# Allegro board HI3516AREFB_VER_B_PCB.brd (continued)
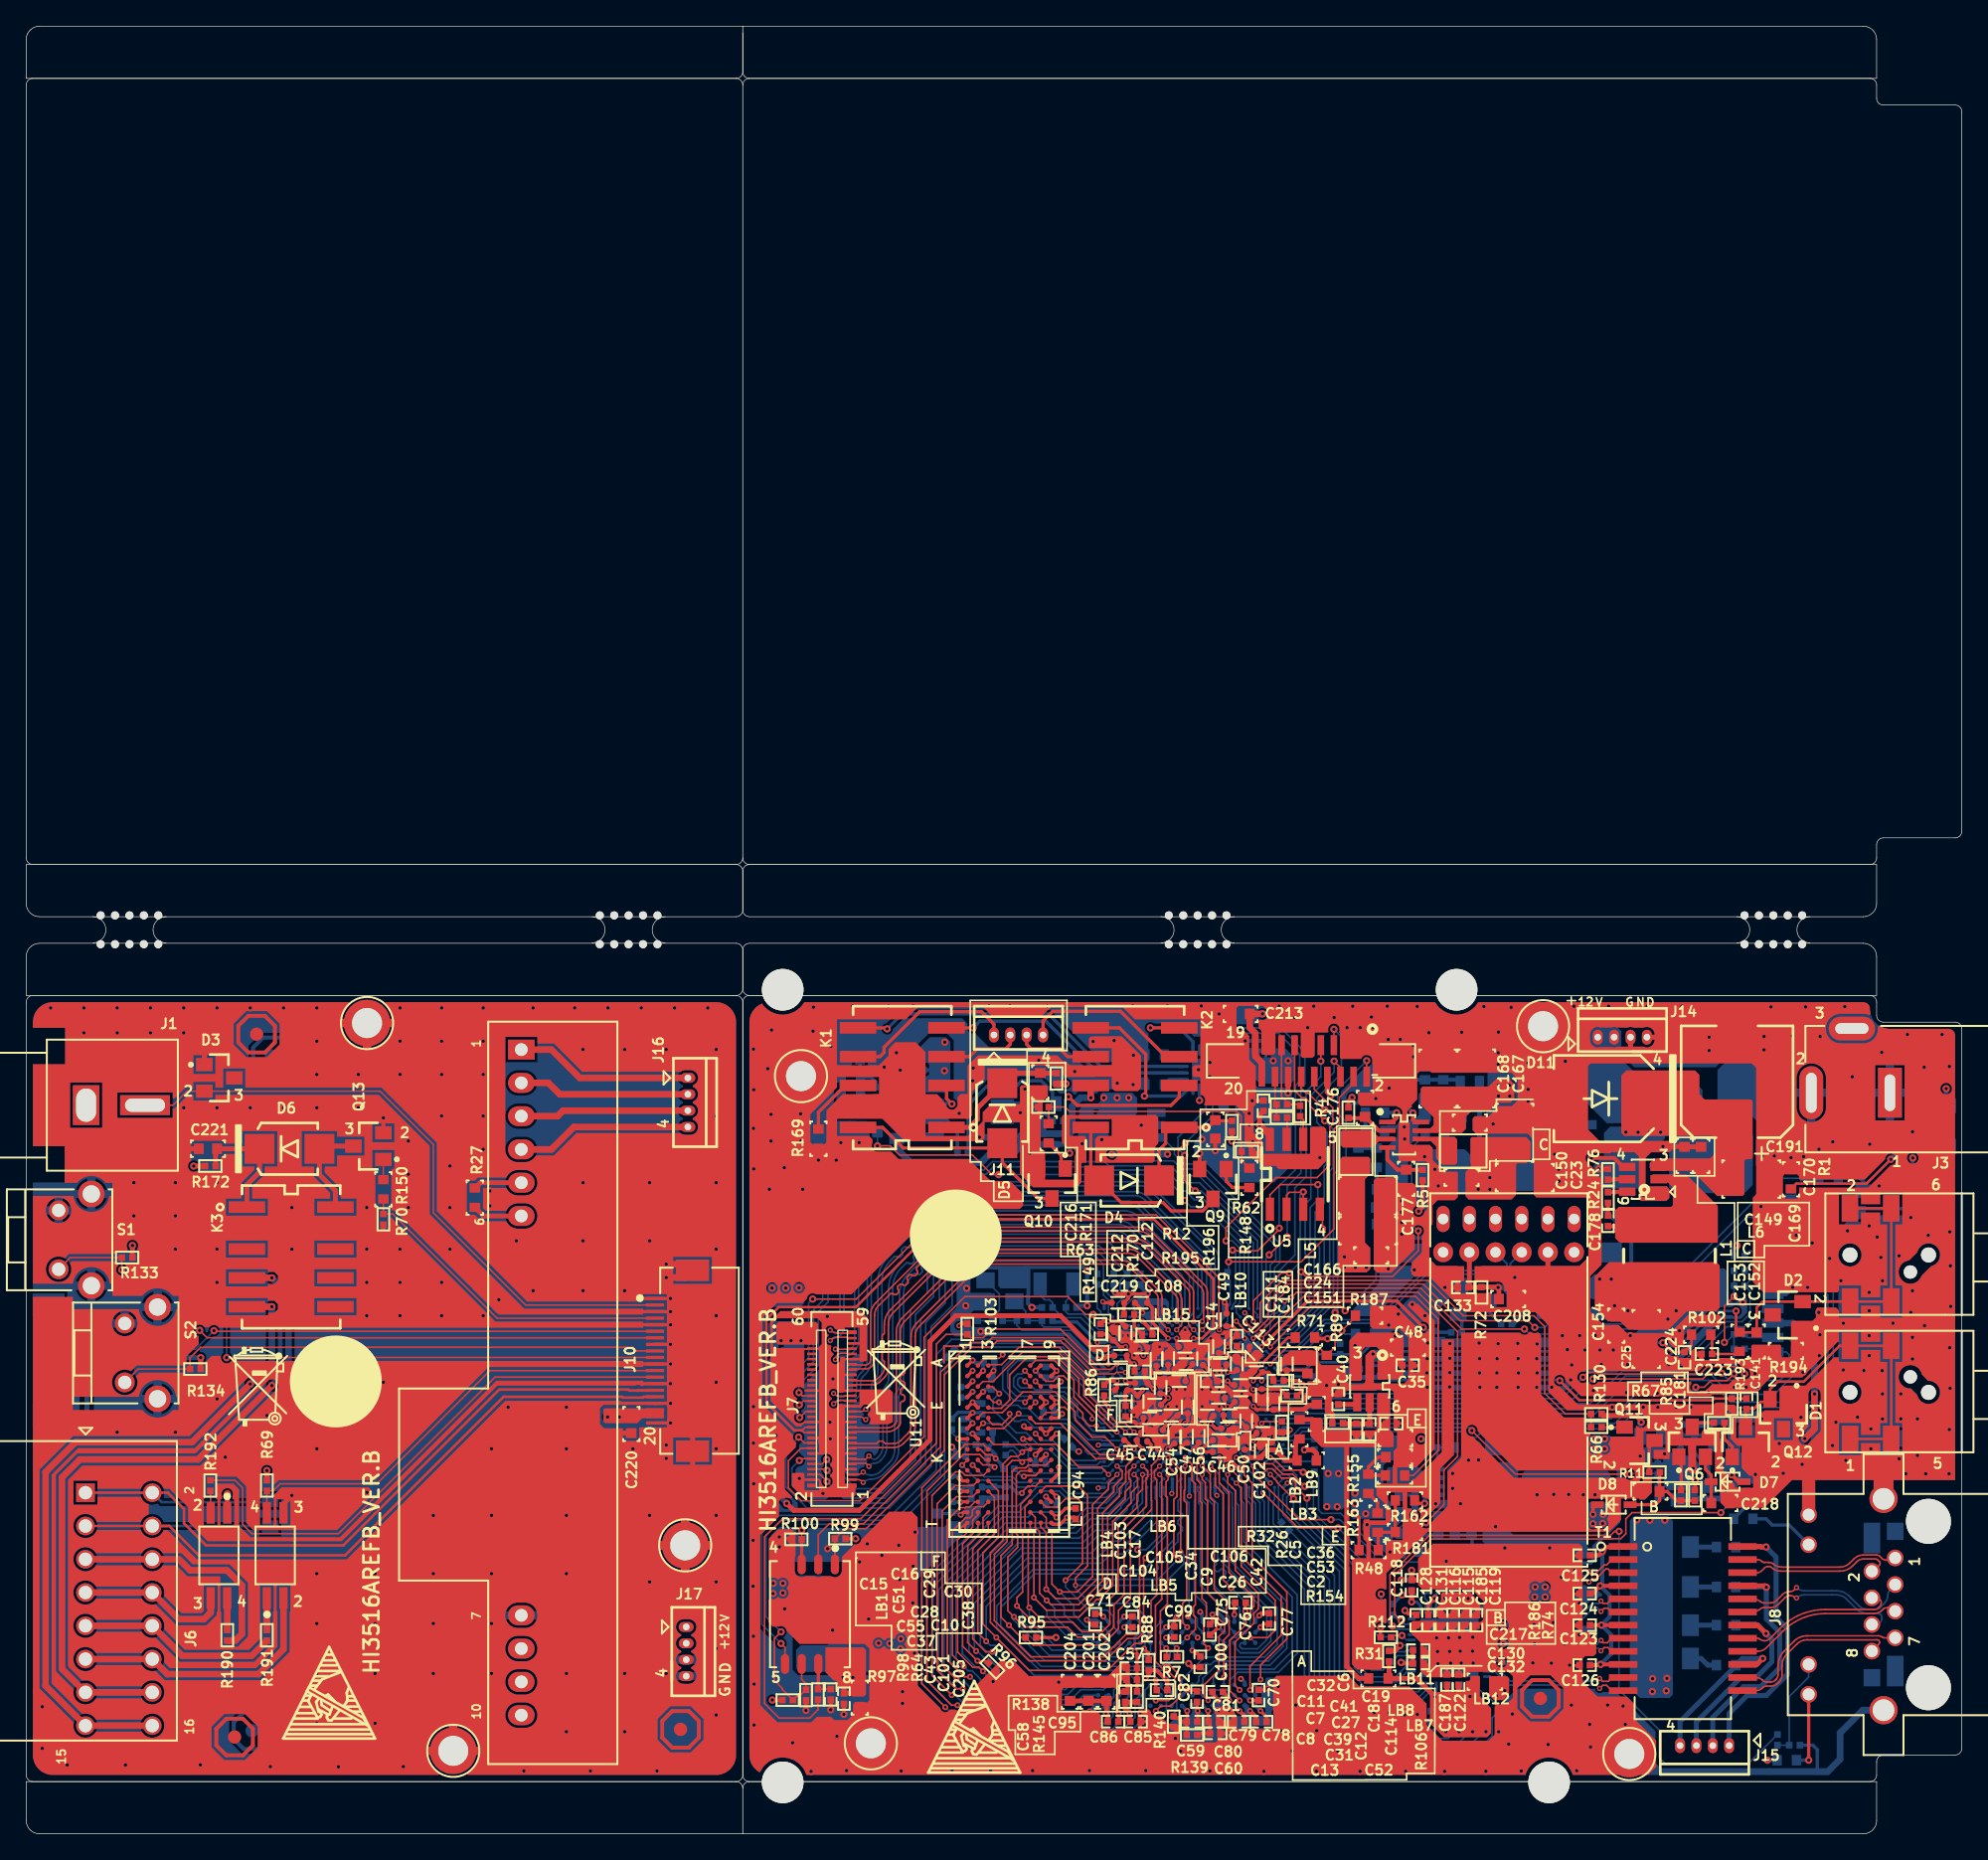
[diagram p0: board, top side]
## Routing (per net, layer and track width the routed paths; a pad name or vN(x,y) marks a point on that pad's centre or on a via; arc(x,y) is an arc through that point) (continued)
LED2: length 48.7
  TOP w0.114: 95.89,41.14 95.26,40.51 95.26,39.34
  TOP w0.127: 95.89,41.14 96.4,41.65 106.43,41.65 109.56,38.53 v1(114.36,38.53) ; 95.26,39.34 93.74,37.82 v3(93.66,37.82)
  BOTTOM w0.114: U8.W18 v3(93.66,37.82)
  BOTTOM w0.127: R179.1 R132.2 131.3,47.06 122.77,38.53 116.67,38.53 116.29,38.15 114.74,38.15 v1(114.36,38.53)
MDCK: length 1.7
  BOTTOM w0.127: U2.30 105.35,14 105.24,13.89 104.28,13.89 R29.1
MDI_0+: length 12.5
  TOP w0.127: T1.2 121.04,20.93 120.64,20.52 120.45,20.52 119.68,19.76 119.54,19.76 v3(119.29,20.01)
  BOTTOM w0.127: U2.1 112.07,16.4 112.78,17.12 116.21,17.12 118.8,19.71 118.98,19.71 v3(119.29,20.01)
MDI_0-: length 12.4
  TOP w0.127: v3(119.29,19.22) 119.52,19.45 119.81,19.45 120.57,20.22 120.74,20.22 121.03,19.93 T1.3
  BOTTOM w0.127: U2.2 112.1,16 112.91,16.81 116.34,16.81 118.93,19.4 119.11,19.4 v3(119.29,19.22)
MDI_1+: length 11.7
  TOP w0.127: T1.5 121.03,17.93 120.69,17.58 120.38,17.58 v3(120.2,17.76)
  BOTTOM w0.127: v3(120.2,17.76) 120.01,17.57 119.54,17.57 117.31,15.34 112.4,15.34 112.26,15.2 U2.4
MDI_1-: length 11.7
  TOP w0.127: v3(120.2,16.97) 120.45,17.22 120.74,17.22 121.03,16.93 T1.6
  BOTTOM w0.127: U2.5 112.29,14.8 112.53,15.03 117.43,15.03 119.67,17.27 119.9,17.27 v3(120.2,16.97)
MDI_2+: length 11
  TOP w0.127: v3(120.2,14.76) 120.38,14.58 120.69,14.58 121.03,14.93 T1.8
  BOTTOM w0.127: v3(120.2,14.76) 119.89,14.45 119.08,14.45 118.58,13.95 112.17,13.95 112.12,14 U2.7
MDI_2-: length 10.9
  TOP w0.127: T1.9 121.03,13.93 120.74,14.22 120.45,14.22 v3(120.2,13.97)
  BOTTOM w0.127: v3(120.2,13.97) 120.03,14.14 119.21,14.14 118.71,13.64 112.17,13.64 112.12,13.6 U2.8
MDI_3+: length 11.1
  TOP w0.127: T1.11 121.06,11.93 120.77,11.64 120.32,11.64 v3(120.1,11.86)
  BOTTOM w0.127: U2.10 112.12,12.8 113.27,11.66 119.9,11.66 v3(120.1,11.86)
MDI_3-: length 11.2
  TOP w0.127: v3(120.1,11.1) 120.34,11.34 120.62,11.34 121.03,10.93 T1.12
  BOTTOM w0.127: U2.11 112.09,12.4 113.14,11.35 113.72,11.35 119.84,11.35 v3(120.1,11.1)
MDIO: length 23.1
  TOP w0.127: v1(99.59,23.98) 97.18,23.98 93.66,27.5 v3(93.66,28.07)
  TOP w0.381: v1(104.86,14.37) 104.45,13.97 R31.2
  BOTTOM w0.114: U8.D18 v3(93.66,28.07)
  BOTTOM w0.127: v1(99.59,23.98) 100.28,23.98 102.9,21.36 102.9,15.39 103.26,15.03 104.2,15.03 v1(104.86,14.37) 104.96,14.37 104.99,14.4 U2.31
MIPI0_CKM: length 39.6
  TOP w0.127: J7.21 63.09,30.68 65.69,30.68 arc(66.14,30.77) 66.52,31.02 arc(66.52,31.03) 66.53,31.03 66.62,31.13 arc(66.7,31.24) 66.72,31.38 66.72,32.88 66.85,33.01 66.94,33.01 67.06,33.13 67.06,33.39 66.94,33.52 66.85,33.52 66.72,33.64 66.72,33.9 66.85,34.03 66.94,34.03 67.06,34.15 67.06,34.41 66.94,34.53 66.85,34.53 66.72,34.66 66.72,34.92 66.85,35.04 66.94,35.04 67.06,35.17 67.06,35.43 66.94,35.55 66.85,35.55 66.72,35.68 66.72,38.32 arc(66.81,38.76) 67.06,39.14 71.9,43.98 arc(72.28,44.23) 72.73,44.32 84.02,44.32 arc(84.5,44.22) 84.9,43.95 87.66,41.19 arc(87.69,41.17) 87.72,41.14 arc(87.86,40.9) 87.92,40.62 87.92,39.23 v3(87.81,39.12)
  BOTTOM w0.127: v3(87.81,39.12) 88.13,38.8 U8.Y10
MIPI0_CKP: length 39.7
  TOP w0.127: J7.23 63.09,30.98 65.69,30.98 arc(66.02,31.05) 66.3,31.24 arc(66.31,31.24) 66.31,31.24 arc(66.39,31.37) 66.42,31.52 66.42,38.32 arc(66.53,38.88) 66.85,39.35 71.69,44.19 arc(72.17,44.51) 72.73,44.62 84.11,44.62 arc(84.62,44.52) 85.05,44.24 87.88,41.41 arc(87.91,41.38) 87.94,41.34 arc(88.02,41.25) 88.09,41.14 arc(88.19,40.89) 88.22,40.62 88.22,39.06 arc(88.19,38.89) 88.1,38.75 v3(87.81,38.47)
  BOTTOM w0.127: U8.W10 88.13,38.15 v3(87.81,38.47)
MIPI0_D0M: length 45.2
  TOP w0.127: J7.9 63.09,28.28 64.09,28.28 v3(64.32,28.04)
  BOTTOM w0.127: v3(64.32,28.04) 64.44,28.16 arc(64.58,28.26) 64.75,28.29 arc(64.99,28.34) 65.19,28.47 65.24,28.52 arc(65.58,29.03) 65.7,29.64 65.7,33.6 arc(65.74,33.81) 65.85,34 arc(66.06,34.38) 66.14,34.8 66.14,41.61 66.14,41.61 arc(66.31,42.46) 66.78,43.18 67.18,43.57 67.36,43.57 67.42,43.51 67.6,43.51 67.78,43.69 67.78,43.87 67.72,43.93 67.72,44.11 67.9,44.29 68.08,44.29 68.14,44.23 68.32,44.23 68.5,44.41 68.5,44.59 68.44,44.65 68.44,44.83 68.62,45.01 68.8,45.01 68.86,44.95 69.04,44.95 69.22,45.13 69.22,45.31 69.16,45.37 69.16,45.55 69.41,45.8 69.76,46.16 arc(70.15,46.41) 70.6,46.5 83.35,46.5 arc(83.86,46.4) 84.3,46.11 87.84,42.57 arc(88.06,42.24) 88.14,41.86 U8.AB10
MIPI0_D0P: length 45.3
  TOP w0.127: v3(64.32,28.84) 64.07,28.58 63.09,28.58 J7.11
  BOTTOM w0.127: U8.AA10 88.24,39.55 88.3,39.61 arc(88.4,39.77) 88.44,39.95 88.44,41.86 arc(88.34,42.36) 88.06,42.78 88.01,42.83 85.18,45.66 84.55,46.29 84.55,46.29 84.51,46.33 arc(83.98,46.68) 83.35,46.81 70.6,46.81 arc(70.03,46.7) 69.55,46.37 66.57,43.39 arc(66.02,42.58) 65.83,41.61 65.83,34.8 arc(65.78,34.48) 65.61,34.2 arc(65.45,33.92) 65.4,33.6 65.4,29.64 arc(65.3,29.15) 65.03,28.74 64.98,28.69 arc(64.87,28.62) 64.75,28.59 arc(64.59,28.63) 64.45,28.72 64.33,28.84 v3(64.32,28.84)
MIPI0_D1M: length 44
  TOP w0.127: v3(63.89,26.82) 63.83,26.88 arc(63.66,26.99) 63.46,27.03 J7.3
  BOTTOM w0.127: U8.AB9 87.49,41.45 arc(87.43,41.73) 87.27,41.97 83.98,45.26 83.83,45.41 arc(83.44,45.67) 82.97,45.77 71.31,45.77 arc(70.84,45.67) 70.43,45.4 69.77,44.74 69.77,44.56 69.83,44.5 69.83,44.32 69.65,44.14 69.47,44.14 69.41,44.2 69.23,44.2 69.05,44.02 69.05,43.84 69.11,43.78 69.11,43.6 68.93,43.42 68.75,43.42 68.69,43.48 68.51,43.48 68.33,43.3 68.33,43.12 68.39,43.06 68.39,42.88 68.21,42.7 68.03,42.7 67.97,42.76 67.79,42.76 67.52,42.49 arc(67.11,41.87) 66.96,41.14 66.96,34.29 arc(66.89,33.92) 66.7,33.6 arc(66.62,33.46) 66.59,33.3 66.59,29.32 arc(66.46,28.66) 66.09,28.1 65.45,27.47 arc(65,27.17) 64.48,27.06 arc(64.47,27.06) 64.46,27.06 arc(64.15,27) v3(63.89,26.82)
MIPI0_D1P: length 44
  TOP w0.127: v3(63.89,27.61) 63.88,27.61 arc(63.69,27.48) 63.46,27.43 J7.5
  BOTTOM w0.127: U8.AA9 87.63,39.59 arc(87.75,39.77) 87.79,39.98 87.79,41.45 arc(87.71,41.85) 87.49,42.19 87.4,42.28 84.19,45.48 84.05,45.63 arc(83.55,45.96) 82.97,46.07 71.31,46.07 arc(70.72,45.95) 70.22,45.62 69.88,45.28 67.3,42.7 arc(66.83,41.99) 66.66,41.14 66.66,34.29 arc(66.61,34.03) 66.47,33.8 arc(66.33,33.57) 66.29,33.3 66.29,29.32 arc(66.18,28.78) 65.87,28.32 65.23,27.68 arc(64.89,27.45) 64.48,27.37 arc(64.16,27.43) v3(63.89,27.61)
MIPI0_D2M: length 43.7
  TOP w0.127: J7.27 63.55,31.83 arc(63.84,31.77) v3(64.08,31.61)
  BOTTOM w0.127: U8.AB11 88.79,42.52 arc(88.74,42.75) 88.61,42.94 84.63,46.92 arc(84.28,47.16) 83.85,47.24 69.92,47.24 arc(69.49,47.15) 69.12,46.91 68.26,46.05 68.26,45.87 68.32,45.81 68.32,45.63 68.14,45.44 67.96,45.44 67.9,45.51 67.72,45.51 67.54,45.33 67.54,45.15 67.6,45.08 67.6,44.9 67.42,44.72 67.24,44.72 67.18,44.79 67,44.79 66.82,44.61 66.82,44.43 66.88,44.36 66.88,44.18 66.7,44 66.52,44 66.46,44.07 66.28,44.07 65.98,43.77 arc(65.49,43.03) 65.31,42.16 65.31,35.29 arc(65.23,34.85) 64.98,34.47 arc(64.86,34.3) 64.82,34.09 64.82,32.37 arc(64.78,32.17) 64.66,32 64.6,31.94 arc(64.5,31.87) 64.39,31.85 arc(64.39,31.85) 64.39,31.85 arc(64.38,31.85) 64.36,31.84 arc(64.3,31.81) 64.24,31.77 v3(64.08,31.61)
MIPI0_D2P: length 43.7
  TOP w0.127: J7.29 63.66,32.23 arc(63.89,32.28) v3(64.08,32.41)
  BOTTOM w0.127: U8.AA11 88.93,39.59 88.95,39.61 arc(89.05,39.77) 89.09,39.95 89.09,42.52 arc(89.02,42.86) 88.83,43.16 88.68,43.31 85.39,46.6 84.96,47.03 84.96,47.03 84.85,47.13 arc(84.39,47.44) 83.85,47.55 69.92,47.55 arc(69.37,47.44) 68.9,47.12 68.68,46.9 65.95,44.17 65.76,43.99 arc(65.2,43.15) 65.01,42.16 65.01,35.29 arc(64.94,34.96) 64.76,34.69 arc(64.58,34.41) 64.51,34.09 64.51,32.38 arc(64.5,32.32) 64.46,32.26 arc(64.34,32.21) 64.22,32.26 v3(64.08,32.41)
MIPI0_D3M: length 37.8
  TOP w0.127: J7.15 63.09,29.48 66.19,29.48 arc(66.62,29.56) 66.97,29.8 67.51,30.34 arc(67.76,30.72) 67.85,31.16 67.85,37.97 arc(67.94,38.39) 68.17,38.75 72.62,43.19 arc(72.94,43.41) 73.31,43.48 83.44,43.48 arc(83.96,43.38) 84.4,43.08 86.27,41.22 arc(86.36,41.08) 86.39,40.92 86.39,39.78 arc(86.49,39.28) 86.78,38.85 v3(87.16,38.47)
  BOTTOM w0.127: U8.W9 87.48,38.15 v3(87.16,38.47)
MIPI0_D3P: length 37.7
  TOP w0.127: J7.17 63.09,29.78 64.9,29.78 65.09,29.97 65.39,29.97 65.57,29.78 66.19,29.78 arc(66.5,29.85) 66.76,30.02 67.29,30.55 arc(67.48,30.83) 67.55,31.16 67.55,37.97 arc(67.65,38.51) 67.96,38.97 72.4,43.41 arc(72.82,43.69) 73.31,43.79 83.44,43.79 arc(84.08,43.66) 84.62,43.3 85.17,42.74 86.49,41.42 arc(86.64,41.2) 86.7,40.93 86.7,39.91 arc(86.76,39.61) 86.93,39.35 v3(87.16,39.12)
  BOTTOM w0.127: v3(87.16,39.12) 87.48,38.8 U8.Y9
MIPI1_CKM: length 39.4
  TOP w0.127: J7.47 63.09,35.78 64.04,35.78 arc(64.33,35.9) 64.45,36.19 64.45,39.57 arc(64.48,39.88) 64.59,40.18 arc(64.7,40.36) 64.84,40.52 69.74,45.42 70.12,45.8 arc(70.67,46.17) 71.33,46.3 84.93,46.3 arc(85.48,46.19) 85.95,45.88 89.92,41.91 arc(90.11,41.63) 90.17,41.31 90.17,39.09 arc(90.13,38.9) 90.03,38.74 v3(89.76,38.47)
  BOTTOM w0.127: U8.W13 v3(89.76,38.47)
MIPI1_CKP: length 39.4
  TOP w0.127: J7.45 63.09,35.48 64.04,35.48 arc(64.54,35.69) 64.75,36.19 64.75,39.57 arc(64.78,39.81) 64.86,40.04 arc(64.95,40.18) 65.06,40.31 65.98,41.23 66.16,41.23 66.24,41.16 66.42,41.16 66.6,41.34 66.6,41.52 66.52,41.59 66.52,41.77 66.7,41.95 66.88,41.95 66.96,41.88 67.14,41.88 67.32,42.06 67.32,42.24 67.24,42.31 67.24,42.49 67.42,42.67 67.6,42.67 67.68,42.6 67.86,42.6 68.04,42.78 68.04,42.96 67.96,43.03 67.96,43.21 70.34,45.59 arc(70.79,45.89) 71.33,46 84.93,46 arc(85.37,45.91) 85.74,45.66 89.64,41.75 arc(89.81,41.51) 89.87,41.22 89.87,39.38 arc(89.84,39.24) v3(89.76,39.12)
  BOTTOM w0.127: U8.Y13 v3(89.76,39.12)
MIPI1_D0M: length 45.5
  TOP w0.127: v3(61.77,37) 61.78,36.98 62.68,36.98 62.72,37.03 J7.53
  BOTTOM w0.127: U8.AA13 90.27,39.63 arc(90.37,39.78) 90.41,39.96 90.41,40.09 90.41,40.1 90.41,43.34 arc(90.32,43.76) 90.08,44.12 86.03,48.18 85.62,48.58 arc(85.14,48.9) 84.57,49.02 68.56,49.02 arc(67.93,48.89) 67.39,48.53 64.16,45.3 64.16,45.3 63.69,44.84 arc(63.35,44.32) 63.23,43.71 63.23,37.6 arc(63.18,37.33) 63.02,37.11 62.83,36.92 62.78,36.86 arc(62.66,36.78) 62.52,36.75 62.36,36.75 arc(62.31,36.75) 62.25,36.76 arc(61.99,36.84) v3(61.77,37)
MIPI1_D0P: length 45.6
  TOP w0.127: J7.51 62.74,36.63 62.7,36.67 62.24,36.67 arc(61.9,36.53) v3(61.77,36.2)
  BOTTOM w0.127: U8.AB13 90.1,40.11 90.1,43.34 arc(90.04,43.64) 89.87,43.91 85.4,48.37 arc(85.02,48.62) 84.57,48.71 68.56,48.71 arc(68.05,48.61) 67.61,48.32 66.53,47.24 66.53,47.06 66.58,47.01 66.58,46.83 66.39,46.65 66.22,46.65 66.17,46.7 65.99,46.7 65.81,46.52 65.81,46.34 65.85,46.29 65.85,46.11 65.67,45.93 65.49,45.93 65.45,45.98 65.27,45.98 65.09,45.8 65.09,45.62 65.13,45.57 65.13,45.39 64.95,45.21 64.77,45.21 64.73,45.26 64.55,45.26 63.91,44.62 arc(63.63,44.2) 63.53,43.71 63.53,37.6 arc(63.46,37.21) 63.24,36.89 62.99,36.64 arc(62.77,36.5) 62.52,36.44 62.21,36.44 arc(62.03,36.41) 61.87,36.3 v3(61.77,36.2)
MIPI1_D1M: length 37.6
  TOP w0.127: J7.41 63.09,34.58 64.62,34.58 arc(64.81,34.62) 64.97,34.73 65.29,35.05 arc(65.44,35.28) 65.5,35.56 65.5,36.03 65.42,36.11 65.34,36.19 65.34,36.7 65.42,36.78 65.5,36.86 65.5,37.37 65.42,37.45 65.34,37.54 65.34,38.04 65.42,38.13 65.5,38.21 65.5,38.86 arc(65.62,39.48) 65.97,40 71,45.03 arc(71.48,45.35) 72.04,45.46 84.39,45.46 arc(85.16,45.31) 85.81,44.87 88.84,41.84 arc(88.88,41.8) 88.92,41.76 arc(89.06,41.55) 89.11,41.3 v3(89.11,39.12)
  BOTTOM w0.127: U8.Y12 v3(89.11,39.12)
MIPI1_D1P: length 37.7
  TOP w0.127: J7.39 63.09,34.28 64.62,34.28 arc(64.92,34.34) 65.18,34.51 65.51,34.84 arc(65.73,35.17) 65.8,35.56 65.8,38.86 arc(65.9,39.36) 66.19,39.79 71.22,44.82 arc(71.6,45.07) 72.04,45.16 84.39,45.16 arc(85.04,45.03) 85.6,44.66 88.63,41.63 arc(88.76,41.43) 88.81,41.2 88.81,39.79 arc(88.79,39.64) 88.74,39.5 arc(88.69,39.36) 88.68,39.21 arc(88.79,38.78) v3(89.11,38.47)
  BOTTOM w0.127: U8.W12 v3(89.11,38.47)
MIPI1_D2M: length 47
  TOP w0.127: J7.59 62.78,38.28 62.71,38.21 61.94,38.21 arc(61.63,38.27) v3(61.37,38.45)
  BOTTOM w0.127: U8.AA14 90.9,39.61 arc(91,39.77) 91.04,39.95 91.04,43.84 arc(90.96,44.26) 90.72,44.63 90.68,44.66 88.53,46.81 88.53,46.81 86.53,48.81 85.95,49.39 arc(85.52,49.68) 85.01,49.78 67.85,49.78 arc(67.12,49.63) 66.51,49.22 62.66,45.37 62.42,45.13 arc(62.19,44.79) 62.11,44.4 62.11,38.65 arc(62.1,38.54) 62.06,38.43 61.95,38.32 arc(61.87,38.27) 61.78,38.25 arc(61.56,38.31) v3(61.37,38.45)
MIPI1_D2P: length 46.9
  TOP w0.127: J7.57 62.73,37.83 62.66,37.9 61.96,37.9 arc(61.65,37.84) 61.39,37.67 v3(61.37,37.65)
  BOTTOM w0.127: U8.AB14 90.74,43.84 arc(90.67,44.15) 90.5,44.41 85.74,49.17 arc(85.4,49.4) 85.01,49.47 67.85,49.47 arc(67.24,49.35) 66.72,49.01 65.61,47.9 65.61,47.72 65.68,47.66 65.68,47.48 65.49,47.3 65.31,47.3 65.25,47.36 65.07,47.36 64.89,47.18 64.89,47 64.95,46.94 64.95,46.76 64.77,46.58 64.59,46.58 64.53,46.64 64.35,46.64 64.17,46.46 64.17,46.28 64.23,46.22 64.23,46.04 64.05,45.86 63.87,45.86 63.81,45.92 63.63,45.92 62.63,44.92 arc(62.47,44.68) 62.42,44.4 62.42,38.65 arc(62.39,38.46) 62.33,38.29 arc(62.26,38.19) 62.19,38.1 62.18,38.09 arc(62.11,38.03) 62.03,37.98 arc(61.87,37.91) 61.7,37.89 arc(61.62,37.88) 61.55,37.83 v3(61.37,37.65)
MIPI1_D3M: length 46.9
  TOP w0.127: J7.35 62.45,33.43 62.4,33.38 62.18,33.38 arc(61.88,33.44) v3(61.63,33.61)
  BOTTOM w0.127: U8.AA12 89.62,39.63 arc(89.71,39.76) 89.74,39.92 89.74,41.36 89.74,42.72 89.74,42.89 arc(89.66,43.29) 89.44,43.62 85.21,47.85 arc(84.73,48.17) 84.17,48.28 69.28,48.28 arc(68.71,48.17) 68.23,47.85 65,44.62 arc(64.4,43.72) 64.19,42.67 64.19,36.78 64.19,36.17 arc(64.1,35.7) 63.83,35.3 63.67,35.14 arc(63.46,34.81) 63.38,34.43 63.38,33.8 arc(63.27,33.53) 63,33.42 61.99,33.42 arc(61.83,33.45) 61.7,33.54 v3(61.63,33.61)
MIPI1_D3P: length 46.9
  TOP w0.127: v3(61.63,32.82) 61.68,32.87 arc(61.91,33.03) 62.18,33.08 62.4,33.08 62.45,33.03 J7.33
  BOTTOM w0.127: U8.AB12 89.44,41.15 89.44,41.18 89.44,42.89 arc(89.38,43.17) 89.23,43.4 84.99,47.63 arc(84.61,47.89) 84.17,47.98 69.28,47.98 arc(68.83,47.89) 68.44,47.63 68.02,47.21 67.48,46.67 67.48,46.49 67.54,46.43 67.54,46.25 67.36,46.07 67.18,46.07 67.12,46.13 66.94,46.13 66.76,45.95 66.76,45.77 66.82,45.71 66.82,45.53 66.64,45.35 66.46,45.35 66.4,45.41 66.22,45.41 66.04,45.23 66.04,45.05 66.1,44.99 66.1,44.81 65.92,44.63 65.74,44.63 65.68,44.69 65.5,44.69 65.22,44.4 arc(64.69,43.61) 64.5,42.67 64.5,36.78 64.5,36.17 arc(64.38,35.58) 64.05,35.08 63.89,34.92 arc(63.74,34.7) 63.69,34.43 63.69,33.8 arc(63.48,33.32) 63,33.12 62.16,33.12 arc(61.94,33.07) 61.76,32.95 v3(61.63,32.82)
MUTE: length 37.7
  TOP w0.127: R66.2 R130.1 117.48,32.05 115.91,33.63 115.91,38.71 115.07,39.54 109.68,39.54 106.99,42.24 95.89,42.24 94.19,40.53 94.19,39.04 93.81,38.65 93.48,38.65 v3(93.01,39.12)
  BOTTOM w0.114: v3(93.01,39.12) U8.Y18
MUTE_R: length 25.2
  TOP w0.203: J4.1 J4.3 J4.4 J4.2 138.41,37.25 135.68,34.51 133.69,34.51 133.11,33.94 D1.2 132.9,32.97 132.39,32.97 131.87,32.44 131.33,32.44 C181.1 131.24,32.35 Q12.3
MX1+: length 12.3
  TOP w0.127: T1.23 132.17,20.93 arc(132.32,20.9) 132.44,20.82 arc(132.48,20.78) 132.53,20.75 arc(132.57,20.74) 132.6,20.73 arc(132.65,20.72) 132.69,20.71 132.98,20.71 arc(133.15,20.69) 133.32,20.63 arc(133.63,20.43) 133.99,20.36 138.45,20.36 arc(138.85,20.44) 139.19,20.67 139.52,20.99 arc(139.84,21.21) 140.22,21.28 141.23,21.28 arc(141.37,21.25) 141.49,21.17 141.64,21.02 arc(141.79,20.92) 141.97,20.89 142.49,20.89 J8.1
MX1-: length 12.1
  TOP w0.127: T1.22 132.11,19.93 arc(132.31,19.97) 132.49,20.09 132.7,20.3 arc(132.82,20.38) 132.97,20.41 arc(133.07,20.4) 133.17,20.36 arc(133.52,20.13) 133.92,20.05 138.45,20.05 arc(138.97,20.16) 139.41,20.45 139.74,20.78 arc(139.96,20.92) 140.22,20.98 141.14,20.98 arc(141.25,20.96) 141.34,20.9 141.46,20.78 arc(141.51,20.65) 141.46,20.52 140.98,20.04 J8.2
MX2+: length 13.7
  TOP w0.127: v3(135.13,18.79) 135.13,18.79 134.96,18.62 arc(134.82,18.53) 134.65,18.49 arc(134.31,18.43) 134.03,18.24 133.6,17.81 arc(133.39,17.67) 133.15,17.62 132.62,17.62 arc(132.49,17.65) 132.37,17.73 arc(132.08,17.88) 131.75,17.93 T1.20
  BOTTOM w0.127: J8.3 142.27,18.64 arc(142.14,18.44) 142.1,18.21 arc(142.03,17.88) 141.84,17.6 141.49,17.25 arc(141.37,17.17) 141.23,17.14 140.52,17.14 arc(140.18,17.21) 139.88,17.41 139.14,18.15 arc(138.7,18.44) 138.19,18.55 137.91,18.55 137.82,18.55 135.72,18.55 arc(135.4,18.61) v3(135.13,18.79)
MX2-: length 12.9
  TOP w0.127: v3(135.13,18) 135.03,18 134.97,18.05 arc(134.82,18.15) 134.65,18.19 arc(134.43,18.14) 134.24,18.02 133.73,17.51 arc(133.47,17.33) 133.15,17.27 132.65,17.27 arc(132.48,17.24) 132.34,17.14 arc(132.03,16.98) 131.68,16.93 T1.19
  BOTTOM w0.127: J8.6 141.19,15.98 arc(141.5,16.11) 141.63,16.42 141.63,16.55 arc(141.6,16.67) 141.52,16.76 arc(141.5,16.77) 141.48,16.78 arc(141.47,16.79) 141.46,16.79 arc(141.36,16.83) 141.26,16.84 140.52,16.84 arc(140.06,16.93) 139.67,17.19 138.92,17.93 arc(138.58,18.16) 138.19,18.24 137.91,18.24 137.82,18.24 135.71,18.24 arc(135.4,18.18) v3(135.13,18)
MX3+: length 12.6
  TOP w0.127: T1.17 132.13,14.93 arc(132.2,14.92) 132.27,14.89 132.34,14.84 arc(132.51,14.76) 132.7,14.74 arc(132.92,14.78) 133.1,14.9 133.9,15.71 arc(135.47,16.75) 137.31,17.12 141.03,17.12 arc(141.23,17.16) 141.4,17.27 141.49,17.35 arc(141.57,17.77) 141.21,18.01 J8.4
MX3-: length 12.8
  TOP w0.127: T1.16 132.16,13.93 arc(132.53,14) 132.84,14.21 134.12,15.49 arc(135.58,16.47) 137.31,16.81 141.03,16.81 arc(141.37,16.88) 141.66,17.07 141.77,17.18 arc(141.92,17.24) 142.07,17.26 arc(142.39,17.18) J8.5
MX4+: length 14
  TOP w0.127: T1.14 132.04,11.93 arc(132.31,11.88) 132.53,11.73 arc(132.69,11.62) 132.88,11.58 133.17,11.58 arc(133.35,11.62) 133.5,11.72 133.57,11.79 arc(133.68,11.95) 133.71,12.14 133.71,12.81 arc(133.84,13.42) 134.18,13.95 134.94,14.7 arc(135.39,15) 135.92,15.11 141.37,15.11 arc(141.52,15.09) 141.65,15.03 arc(141.67,15.01) 141.7,14.99 arc(141.76,14.97) 141.82,14.96 J8.7
MX4-: length 13.8
  TOP w0.127: J8.8 141.39,14.45 arc(141.43,14.51) 141.46,14.57 141.46,14.61 arc(141.45,14.7) 141.39,14.77 arc(141.33,14.8) 141.26,14.8 135.92,14.8 arc(135.51,14.72) 135.16,14.49 134.4,13.73 arc(134.12,13.31) 134.02,12.81 arc(134.02,12.79) 134.02,12.78 134.02,12.14 arc(133.96,11.83) 133.78,11.57 133.71,11.5 arc(133.46,11.34) 133.17,11.28 132.86,11.28 arc(132.69,11.24) 132.55,11.15 arc(132.31,10.99) 132.02,10.93 T1.13
ONE_KEY_RECOVERY: length 23.9
  TOP w0.127: v1(98.82,58.97) J9.9
  BOTTOM w0.127: v1(98.82,58.97) 98.82,57.78 97.7,56.66 97.7,50.16 96.83,49.3 96.83,44.17 95.61,42.95 95.61,39.92 95.44,39.75 95.16,39.75 95.08,39.67 94.95,39.54 94.95,38.46 U8.W20
ONE_KEY_RECOVERY_CON: length 42.2
  TOP w0.127: J10.9 46.59,36.86 46.31,37.13 13.31,37.13 12.5,36.32 R134.1 8.54,35.47 S2.2
POE_VA1: length 22.7
  TOP w0.381: v1(132.8,21.89) 132.42,21.89 132.38,21.93 T1.24
  BOTTOM w0.381: J15.1 129.98,9.19 131.35,10.55 132.81,10.55 134.45,12.19 134.45,15.64 133.56,16.53 133.56,21.13 v1(132.8,21.89) R93.1
POE_VA1_CON: length 13.6
  TOP w0.508: U1.1 40.09,59.86 42.25,57.7 J16.1
POE_VA2: length 19.6
  TOP w0.381: T1.21 132.71,18.93 v1(132.82,18.82)
  BOTTOM w0.381: R92.1 132.8,18.84 v1(132.82,18.82) 132.82,16.4 133.84,15.39 133.84,12.67 132.4,11.23 131.07,11.23 128.73,8.89 J15.2
POE_VA2_CON: length 13.1
  TOP w0.508: J16.2 40.72,56.45 39.85,57.32 U1.2
POE_VB1: length 16.4
  TOP w0.381: T1.18 132.16,15.93 v1(132.8,15.29)
  BOTTOM w0.381: R91.1 132.16,15.92 v1(132.8,15.29) 133.24,14.85 133.24,13.12 132.04,11.92 130.86,11.92 127.48,8.54 J15.3
POE_VB1_CON: length 12.9
  TOP w0.508: J16.3 40.98,55.2 40.56,54.78 U1.3
POE_VB2: length 11.9
  TOP w0.381: v1(132.55,13.38) 132.09,12.93 T1.15
  BOTTOM w0.381: J15.4 126.23,8.57 130.49,12.82 R90.1 131,13.38 v1(132.55,13.38)
POE_VB2_CON: length 13.4
  TOP w0.508: U1.4 40.09,52.24 41.8,53.95 J16.4
RGMII_ENSWREG: length 1.9
  BOTTOM w0.127: R115.2 106.83,17.48 U2.38
RGMII_RX_CLK: length 25.7
  BOTTOM w0.127: U8.A21 95.29,25.51 95.18,25.4 95.18,23.68 99.47,19.39 99.47,11.62 102.54,8.55 R35.1
RGMII_RX_DV/PHY_AD2: length 40.2
  BOTTOM w0.127: 93.02,25.6 93.48,25.14 93.48,22.77 ; R119.1 112.4,9.65 111.46,10.59 111.34,10.59 110.83,11.09 U2.13
  BOTTOM w0.13: 93.02,25.6 93.02,26.78 U8.B18 ; R119.1 111.89,8.85 111.89,7.46 110.4,5.97 102.14,5.97 97.57,10.54 97.57,18.68 93.48,22.77
RGMII_RXD0/SELRGV: length 37.3
  BOTTOM w0.127: R107.2 111.29,9.5 111.29,10.12 110.43,10.98 U2.14 ; 93.84,22.99 93.84,25.22 93.34,25.72
  BOTTOM w0.13: R107.2 110.9,8.85 110.9,7.49 109.81,6.4 102.32,6.4 97.95,10.77 97.95,18.88 93.84,22.99 ; 93.34,25.72 93.34,26.15 U8.A18
RGMII_RXD1/TXDLY: length 36.8
  BOTTOM w0.127: U8.C18 93.34,27.72 93.67,27.39 93.67,25.79 94.17,25.29 94.17,23.19 98.33,19.02 98.33,10.94 102.45,6.83 109.23,6.83 109.9,7.5 109.9,8.86 R108.2 110.4,9.61 109.63,10.39 U2.16
RGMII_RXD2/AN0: length 33.2
  BOTTOM w0.127: U8.A19 93.99,26.15 93.99,25.88 94.5,25.37 94.5,23.35 98.71,19.13 98.71,11.17 102.6,7.29 108.54,7.29 108.86,7.61 108.86,8.85 R109.2 109.43,9.42 109.43,9.95 109.23,10.15 U2.17
RGMII_RXD3/AN1: length 30.8
  BOTTOM w0.127: U8.A20 94.92,26.16 94.92,25.69 94.83,25.6 94.83,23.53 99.09,19.26 99.09,11.43 102.6,7.92 107.53,7.92 107.78,8.17 107.78,8.79 R110.2 108.36,9.77 108.83,10.24 U2.18
RGMII_TX_CLK: length 21.8
  BOTTOM w0.127: R23.1 99.86,19.72 99.86,11.81 101.79,9.87 106.18,9.87 107.23,10.93 U2.22
RGMII_TX_EN: length 24.4
  TOP w0.127: v3(94.31,27.42) 94.75,27.86 95.11,27.86 95.81,27.15 96.55,27.15 96.88,26.82 96.88,26.49 v1(97.75,25.62)
  BOTTOM w0.127: v1(97.75,25.62) 97.75,24.55 101.76,20.54 101.76,12.8 102.57,11.98 104.53,11.98 105.34,12.8 U2.27 ; U8.C19 v3(94.31,27.42)
RGMII_TXD0: length 26.6
  BOTTOM w0.127: U8.B21 95.59,27.4 96.33,27.4 96.68,27.05 96.68,26.59 95.92,25.83 95.92,24.36 100.24,20.04 100.24,12.02 101.79,10.46 106.33,10.46 106.83,10.96 U2.23
RGMII_TXD1: length 26.2
  BOTTOM w0.127: U8.C21 95.59,28.05 96.29,28.05 96.97,27.36 96.97,26.46 96.22,25.71 96.22,24.56 100.62,20.16 100.62,12.16 101.94,10.84 106.26,10.84 106.43,11.02 U2.24
RGMII_TXD2: length 23.5
  TOP w0.127: v1(96.73,25.57) 95.46,26.84 95.46,26.92 v3(94.96,27.42)
  BOTTOM w0.127: U2.25 105.52,12 104.75,11.22 102.17,11.22 101,12.4 101,20.29 96.73,24.56 v1(96.73,25.57) ; U8.C20 v3(94.96,27.42)
RGMII_TXD3: length 25.4
  TOP w0.127: v1(97.6,26.52) 96.66,27.45 95.92,27.45 95.13,28.24 94.48,28.24 v3(94.31,28.07)
  BOTTOM w0.127: v1(97.6,26.52) 97.24,26.16 97.24,24.56 101.38,20.42 101.38,12.67 102.45,11.6 104.62,11.6 105.41,12.4 U2.26 ; U8.D19 v3(94.31,28.07)
RS485_A: length 5.7
  TOP w0.127: R196.2 97.14,55.67 R12.1 96.25,55.85 95.82,56.28 J9.15
RS485_A_CON: length 61.5
  TOP w0.203: J6.1 J6.2 10.8,26.04 12.05,24.79 12.05,23.69 13.72,22.02 24.21,22.02 36.1,33.91 45.96,33.91 46.03,33.83 46.69,33.83 ; 46.69,33.83 47.97,33.83 J10.15 46.66,33.86 46.69,33.83
  BOTTOM w0.203: J6.2 10.34,25.32 18.5,25.32 D12.1
RS485_B: length 3.2
  TOP w0.127: J9.16 95.32,55.79 R12.2 R195.2
RS485_B_CON: length 58.5
  TOP w0.203: J10.16 47.14,33.36 47.07,33.3 45.55,33.3 45.49,33.36 36.44,33.36 24.34,21.26 13.16,21.26 10.93,23.5 J6.4 J6.3
  BOTTOM w0.203: 18.63,23.41 18.55,23.5 J6.4
RXDLY: length 1.8
  TOP w0.127: R112.2 104.33,15.13 v1(105.01,15.13)
  BOTTOM w0.127: v1(105.01,15.13) 105.35,14.8 U2.32
SDIO1_CARD_DETECT: length 62.4
  BOTTOM w0.127: U8.J20 94.95,31.33 94.95,30.88 95.15,30.68 95.38,30.68 95.61,30.45 95.61,30.21 95.81,30.02 96.73,30.02 97.42,30.7 109.66,30.7 110.09,30.27 110.68,30.27 111.31,30.91 121.47,30.91 122.61,32.05 127.74,32.05 128.23,32.53 137.27,32.53 137.93,33.19 137.93,41.4 134.85,44.48 J13.12 131.54,44.48 R124.1
SDIO1_CARD_POWER_EN: length 32.9
  TOP w0.127: v1(110.35,30.78) 113.68,27.45 v1(122.38,27.45)
  BOTTOM w0.127: U8.J21 95.29,31.44 95.63,31.1 95.63,30.81 95.79,30.65 96.08,30.65 96.39,30.35 96.6,30.35 97.26,31.01 110.12,31.01 v1(110.35,30.78) ; v1(122.38,27.45) 122.44,27.5 124.49,27.5 R61.2 124.54,26.44 R60.1
SDIO1_CCLK_OUT: length 40.6
  BOTTOM w0.127: J13.5 133.11,39.87 132.34,39.87 131.17,38.71 129.8,38.71 126.04,34.95 122.05,34.95 119.57,32.46 96.76,32.46 96.6,32.3 U8.K22
SDIO1_CCMD: length 48.8
  BOTTOM w0.127: R127.1 131.41,37.88 J13.3 134.44,37.88 135.11,37.21 135.11,35.23 133.43,33.55 130.11,33.55 128.63,35.02 126.88,35.02 126.37,34.51 122.21,34.51 119.77,32.08 96.88,32.08 96.79,31.99 95.76,31.99 95.45,32.3 U8.K21
SDIO1_CDATA0: length 44.6
  BOTTOM w0.127: U8.K20 94.81,32.3 95.13,32.61 96.38,32.61 96.61,32.84 119.36,32.84 121.85,35.33 125.79,35.33 129.55,39.09 130.97,39.09 131.58,39.7 131.58,41.42 R126.1 131.62,42.28 J13.7
SDIO1_CDATA1: length 58.7
  BOTTOM w0.127: R125.1 131.58,43.38 J13.8 135.24,43.38 137.52,41.09 137.52,33.6 136.86,32.94 130.11,32.94 128.43,34.62 127.11,34.62 126.63,34.13 123.43,34.13 120.99,31.7 95.99,31.7 U8.J22
SDIO1_CDATA2: length 42.1
  TOP w0.127: v1(131.16,35.11) 130.61,35.66 128.33,35.66 127.77,35.1 119.97,35.1 119.84,35.23 119.21,35.23 v1(118.83,34.84)
  BOTTOM w0.127: v1(131.16,35.11) R129.1 131.82,35.92 132.07,35.68 J13.1 ; v1(118.83,34.84) 117.58,33.6 96.43,33.6 96.1,33.93 95.19,33.93 94.95,33.69 94.95,33.45 94.75,33.25 94.29,33.25 U8.L19
SDIO1_CDATA3: length 47.3
  TOP w0.127: v1(129.42,35.15) 128.4,35.15 127.97,34.72 v1(119.59,34.72)
  BOTTOM w0.127: U8.K19 94.29,32.6 94.74,32.6 94.95,32.81 94.95,33.09 95.12,33.26 96.42,33.26 96.46,33.22 118.09,33.22 v1(119.59,34.72) ; R128.1 131.89,37.02 132.14,36.78 J13.2 134.35,36.78 134.55,36.57 134.55,35.3 133.87,34.62 129.95,34.62 v1(129.42,35.15)
